# Altium PCB Mynd_TI_Amp.PcbDoc (part 1 of 2)
Units mm, origin at the board's own origin, x right, y up, seen from the top; angles counter-clockwise.
Board outline 90.5 x 57.5 mm, 2 copper layers (Component Side, Solder Side), stack 1.58 mm thick; 159 components, 77 nets, 438 pads, 735 vias.
Unrouted connection lines stored in the file: 74.
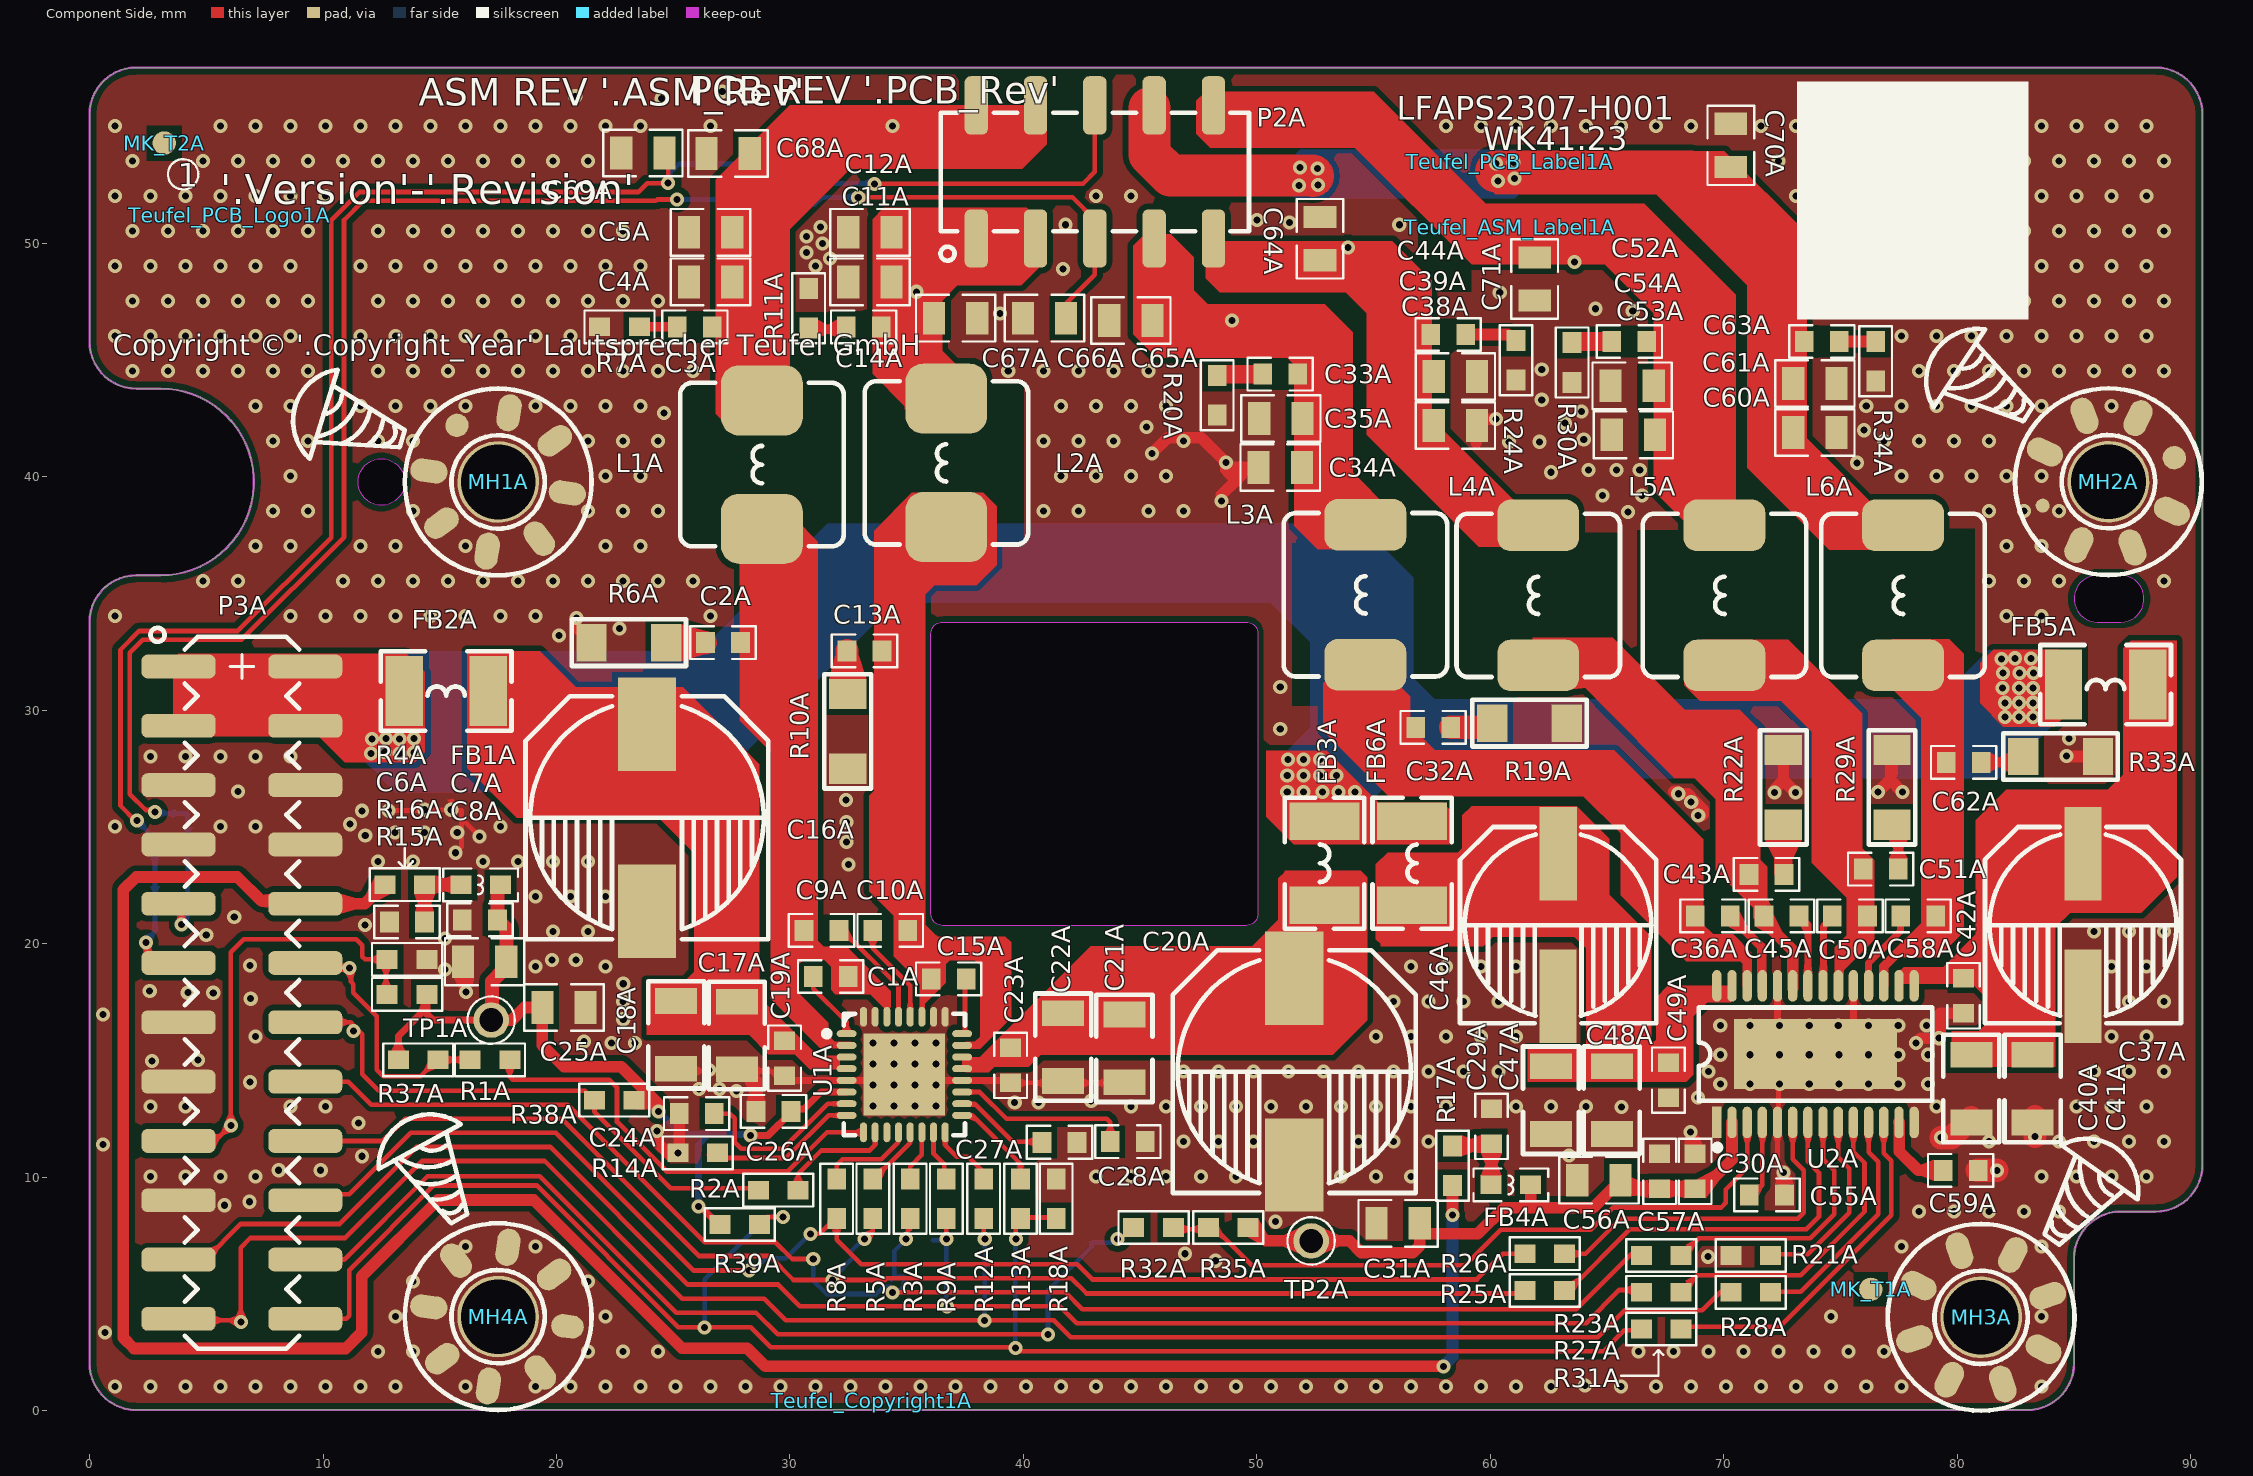
[diagram p0: Component Side view]
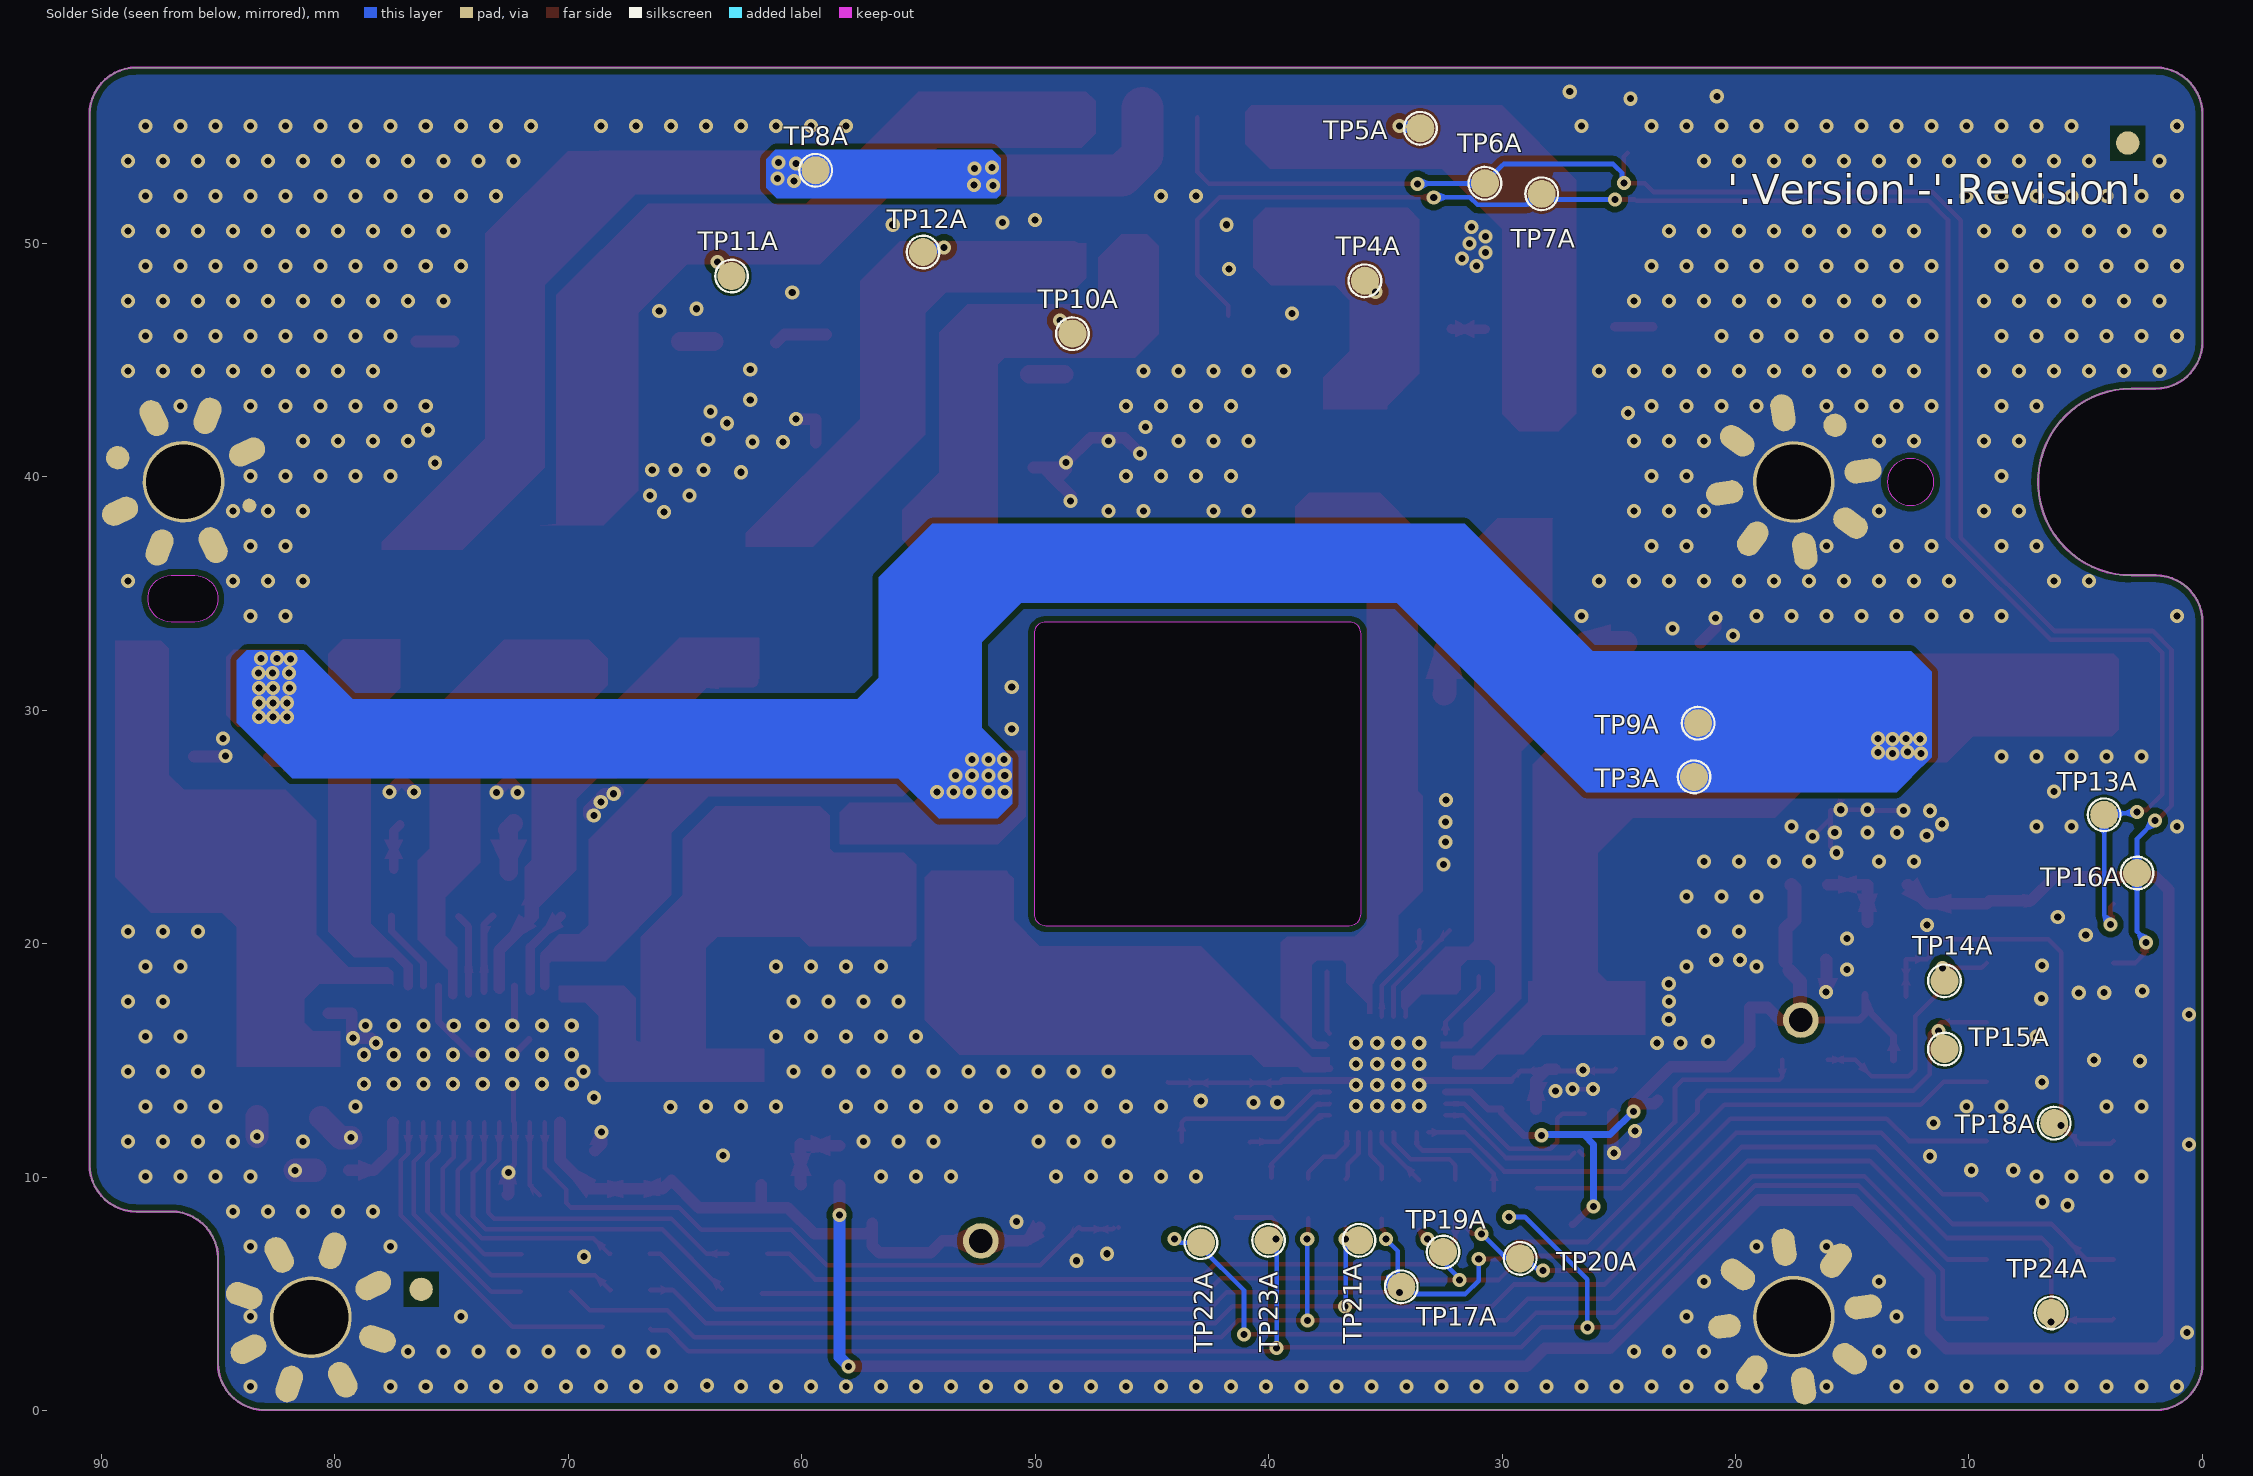
[diagram p1: Solder Side view, seen from below]
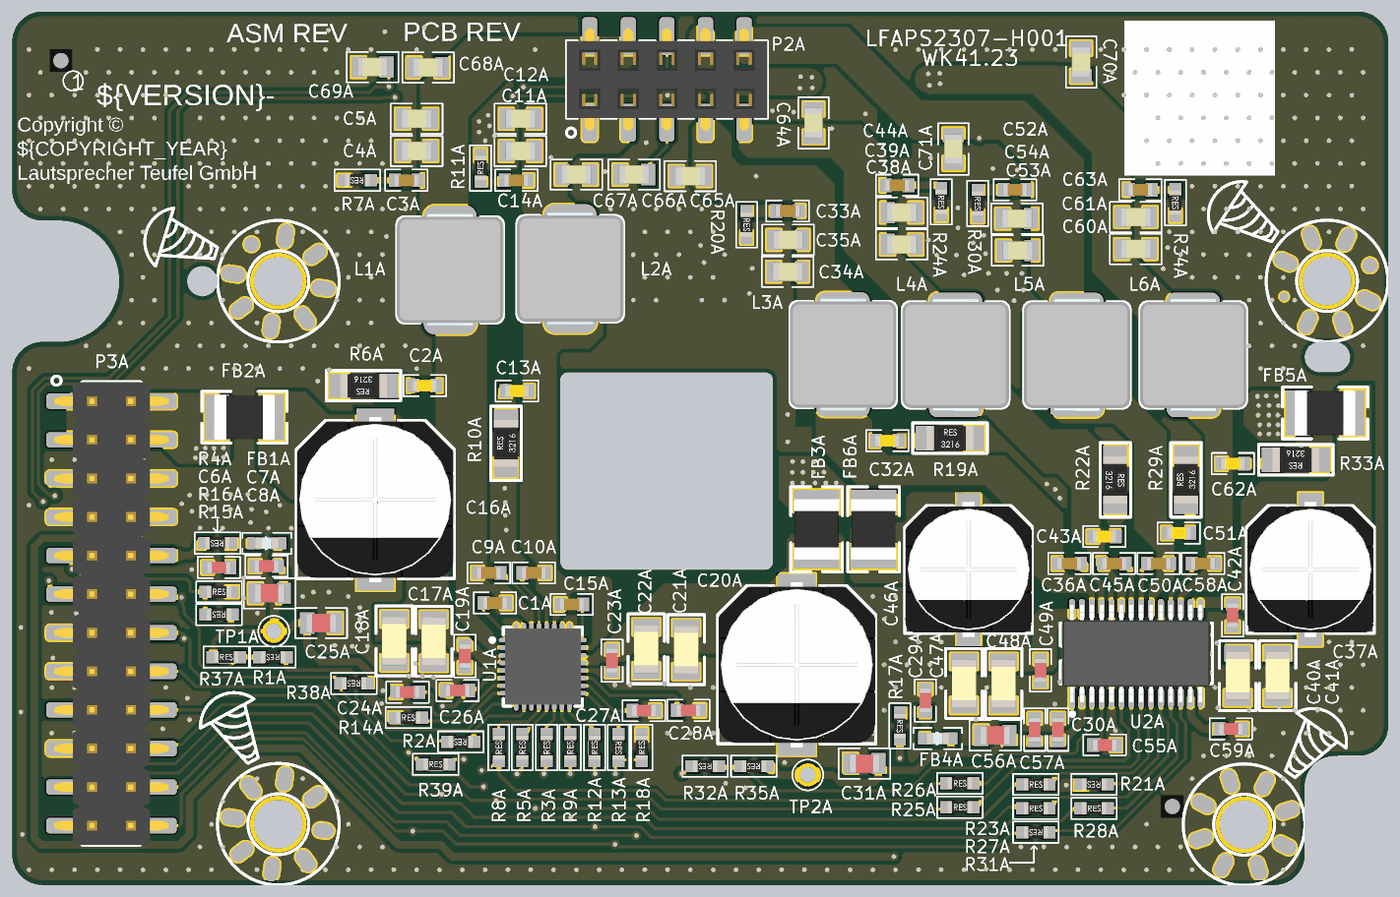
[diagram p3: 3D render of the assembled board from above, using the file's embedded part models]

## Layer stack, top to bottom
Top Solder: solder mask 0.0102, Solder Resist, Dk 3.5
Component Side: signal copper 0.07
Dielectric1: core 1.4397, FR-4, Dk 4.2
Solder Side: signal copper 0.07
Bottom Solder: solder mask 0.0102, Solder Resist, Dk 3.5

## Board outline
2,0.032 cw(c2,2.032) 0,2.032 0,33.782 cw(c2,33.782) 2,35.782 3.04,35.782 ccw(c3.04,39.782) 3.04,43.782 2,43.782 cw(c2,45.782) 0,45.782 0,55.532 cw(c2,55.532) 2,57.532 88.5,57.532 cw(c88.5,55.532) 90.5,55.532 90.5,10.532 cw(c88.5,10.532) 88.5,8.532 87,8.532 ccw(c87,6.532) 85,6.532 85,2.032 cw(c83,2.032) 83,0.032
cut-out: 86,33.782 87,33.782 ccw(c87,34.782) 87,35.782 86,35.782 ccw(c86,34.782)
cut-out: 12.5,38.782 cw(c12.5,39.782) 11.5,39.782 cw(c12.5,39.782) 12.5,40.782 cw(c12.5,39.782) 13.5,39.782 cw(c12.5,39.782)
cut-out: 36.54,20.782 cw(c36.54,21.282) 36.04,21.282 36.04,33.282 cw(c36.54,33.282) 36.54,33.782 49.54,33.782 cw(c49.54,33.282) 50.04,33.282 50.04,21.282 cw(c49.54,21.282) 49.54,20.782

## Design rules (kind name [scope] priority, off if disabled: settings)
AssemblyTestPointUsage [HasFootprint('PAD-NDK-06')] p1:
AssemblyTestpoint [HasFootprint('PAD-NDK-06')] p1: testpointundercomponent=TRUE minsize=1.016 maxsize=2.54 preferedsize=1.524 minholesize=0 maxholesize=1.016 preferedholesize=0.813 testpointgrid=0.025 usegrid=TRUE gridtolerance=0 allowsidetop=TRUE allowsidebottom=TRUE
Clearance Clearance_I2S [InNetClass('I2S')] p1: gap=0.2 ignorepadtopadclearanceinfootprint=FALSE except(0.4: Arc-Arc Arc-Track Track-Track)
Clearance Clearance_I2C [InNetClass('I2C')] p2: gap=0.2 ignorepadtopadclearanceinfootprint=FALSE except(0.4: Arc-Arc Arc-Track Track-Track)
Clearance Clearance_Poly [InPolygon] p3: gap=0.25 ignorepadtopadclearanceinfootprint=FALSE // Protel DXP Scope 1 Expression Was: InPoly
Clearance [All] p4: gap=0.18 ignorepadtopadclearanceinfootprint=FALSE except(0.2: Arc-Fill Arc-Poly Arc-Region Track-Fill Track-Poly Track-Region SMDPad-Fill SMDPad-Poly SMDPad-Region THPad-Fill THPad-Poly THPad-Region Via-Fill Via-Poly Via-Region Fill-Fill Fill-Poly Fill-Region Poly-Poly Poly-Region Region-Region)
Clearance Clearance_Footprint [HasFootprint('RSE10') vs HasFootprint('RSE10')] p5: gap=0.15 ignorepadtopadclearanceinfootprint=FALSE
ComponentClearance ComponentClearance_Termofühler [HasFootprint('SOP65P1420X360_HS-44N') vs HasFootprint('TO-92_MCP9700')] p1 off: gap=0 collisioncheckmode=3 verticalgap=0.254 showdistances=FALSE
ComponentClearance ComponentClearance_Testpoint [InComponent('TP*')] p2 off: gap=0 collisioncheckmode=3 verticalgap=0.254 showdistances=FALSE
ComponentClearance ComponentClearance_MC16 [OnLayer('Component Side')] p3 off: gap=0 collisioncheckmode=3 verticalgap=0.254 showdistances=FALSE
ComponentClearance ComponentClearance_1 [All] p4 off: gap=0.2 collisioncheckmode=3 verticalgap=0.254 showdistances=FALSE
ComponentClearance ComponentClearance_Stiftleiste [HasFootprint('1X04RM254') vs HasFootprint('1X02RM254')] p5 off: gap=0 collisioncheckmode=3 verticalgap=0.254 showdistances=FALSE
FabricationTestpoint [All] p1: side=3 testpointundercomponent=TRUE minsize=0.5 maxsize=2.54 preferedsize=1.524 minholesize=0 maxholesize=1.016 preferedholesize=0.813 testpointgrid=0.025 allowsidetop=TRUE allowsidebottom=TRUE usegrid=TRUE gridtolerance=0
FanoutControl Fanout_LCC [All] p1 off: bgadir=Out bgaviamode=Centered fanoutstyle=Auto fanoutdirection=Alternating viagrid=0.025 // Protel DXP Scope 1 Expression Was: IsLCC   Fanout_LCC (Default Rule)
FanoutControl Fanout_BGA [All] p2 off: bgadir=Out bgaviamode=Centered fanoutstyle=Auto fanoutdirection=Alternating viagrid=0.025 // Protel DXP Scope 1 Expression Was: IsBGA   Fanout_BGA (Default Rule)
FanoutControl Fanout_SOIC [All] p3 off: bgadir=Out bgaviamode=Centered fanoutstyle=Auto fanoutdirection=Alternating viagrid=0.025 // Protel DXP Scope 1 Expression Was: IsSOIC   Fanout_SOIC (Default Rule)
FanoutControl Fanout_Default [All] p4: bgadir=Out bgaviamode=Centered fanoutstyle=Auto fanoutdirection=Alternating viagrid=0.025 // Fanout_Default (Default Rule)
FanoutControl Fanout_Small [All] p5 off: bgadir=Out bgaviamode=Centered fanoutstyle=Auto fanoutdirection=Alternating viagrid=0.025 // Protel DXP Scope 1 Expression Was: (CompPinCount < 5)   Fanout_Small (Default Rule)
Height [All] p1 off: minheight=0 maxheight=25.4 prefheight=12.7
HoleSize [All] p1: absolutevalues=TRUE maxlimit=8 minlimit=0.2 maxpercent=80.000 minpercent=20.000
PlaneClearance [All] p1: clearance=0.3
PlaneConnect [All] p1: planeconnectstyle=Relief reliefexpansion=0.508 reliefentries=4 reliefconductorwidth=0.5 reliefairgap=0.254
PolygonConnect [All] p1: connectstyle=Direct reliefconductorwidth=0.5 reliefentries=4 polygonreliefangle="45 Angle" airgapwidth=0.254
PolygonConnect PolygonConnect_direct_stepup [All] p2 off: connectstyle=Direct reliefconductorwidth=0.254 reliefentries=4 polygonreliefangle="90 Angle" airgapwidth=0.254 // Protel DXP Scope 1 Expression Was: (InNet('NETC548_1') AND IsNamedPolygon('BOT_STEPUP_L502OUT')) OR (InNet('NetL502_1') AND IsNamedPolygon('BOT_STEPUP_L502IN')) OR     (InNet('NetC504_2') AND IsNamedPolygon('BOT_STEPUP_IN')) OR   (InNet('24V') AND IsNamedPolygon('BOT_STEPUP_24VOUT')) OR (InNet('GND') AND (IsNamedPolygon('BOT_STEPUP_GND') OR                     IsNamedPolygon('TOP_Global_GND') OR                                    IsNamedPolygon('TOP_GLOBAL_GND')                   ) )
PolygonConnect PolygonConnect_VIA [All] p3 off: connectstyle=Direct reliefconductorwidth=0.2 reliefentries=4 polygonreliefangle="90 Angle" airgapwidth=0.254 // Protel DXP Scope 1 Expression Was: isVia  or HasFootprint('HOLE_3.2_6.0') or  HasFootprint('CAPPR750W80D1600H2500') or HasFootprint('JST_B6P-VH-FB-B') or HasFootprint('JST_B2P-VH-FB-B') or HasFootprint('TE_1734366-3')
PolygonConnect PolygonConnect_direct [All] p4 off: connectstyle=Direct reliefconductorwidth=0.254 reliefentries=4 polygonreliefangle="90 Angle" airgapwidth=0.254 // Protel DXP Scope 1 Expression Was: InNet('OUT_A') or InNet('OUT_B') or InNet('OUT_C') or InNet('OUT_D') or InNet('SW1_N') or InNet('SW1_P') or InNet('SW2_N') or InNet('SW2_P') or InNet('NetC500_1') or InNet('NetC500_2') or IsNamedPolygon('BOTTOM_-5V_GND') or IsNamedPolygon('BOTTOM_5V_GND') or IsNamedPolygon('BOTTOM_3V3_GND') or IsNamedPolygon('TOP_24V') or IsNamedPolygon('BOT_5VChg_SW_Node') or ((InNet('41V')) and IsSMTPin)
PolygonConnect PolygonConnect_GND_RC_1 [All] p5 off: connectstyle=Relief reliefconductorwidth=0.5 reliefentries=4 polygonreliefangle="90 Angle" airgapwidth=0.254 // Protel DXP Scope 1 Expression Was: IsNamedPolygon('GND_RC_1')
RoutingVias [All] p1: holewidth=0.3 width=0.7 viastyle="Through Hole" minholewidth=0.25 minwidth=0.5 maxholewidth=6 maxwidth=8
ShortCircuit ShortCircuit_Antenna [InNet('ANTENNA')] p2: allowed=TRUE
SilkToSolderMaskClearance [All] p1 off: minsilkscreentomaskgap=0.254 clearancetoexposedcopper=TRUE // Protel DXP Scope 1 Expression Was: IsPad
SolderMaskExpansion [All] p1: expansion=0.102 istentingtop=FALSE
Width [All] p1: maxlimit=20 minlimit=0.192 preferedwidth=0.2
16 further rules are at their usual default settings.

## Classes and differential pairs
net class I2S: I2S_BCLK I2S_DATA I2S_LRCK
net class I2C: SCL SDA
